# Altium PCB Bad-Fox Prototype.PcbDoc (part 1 of 6) (continued)
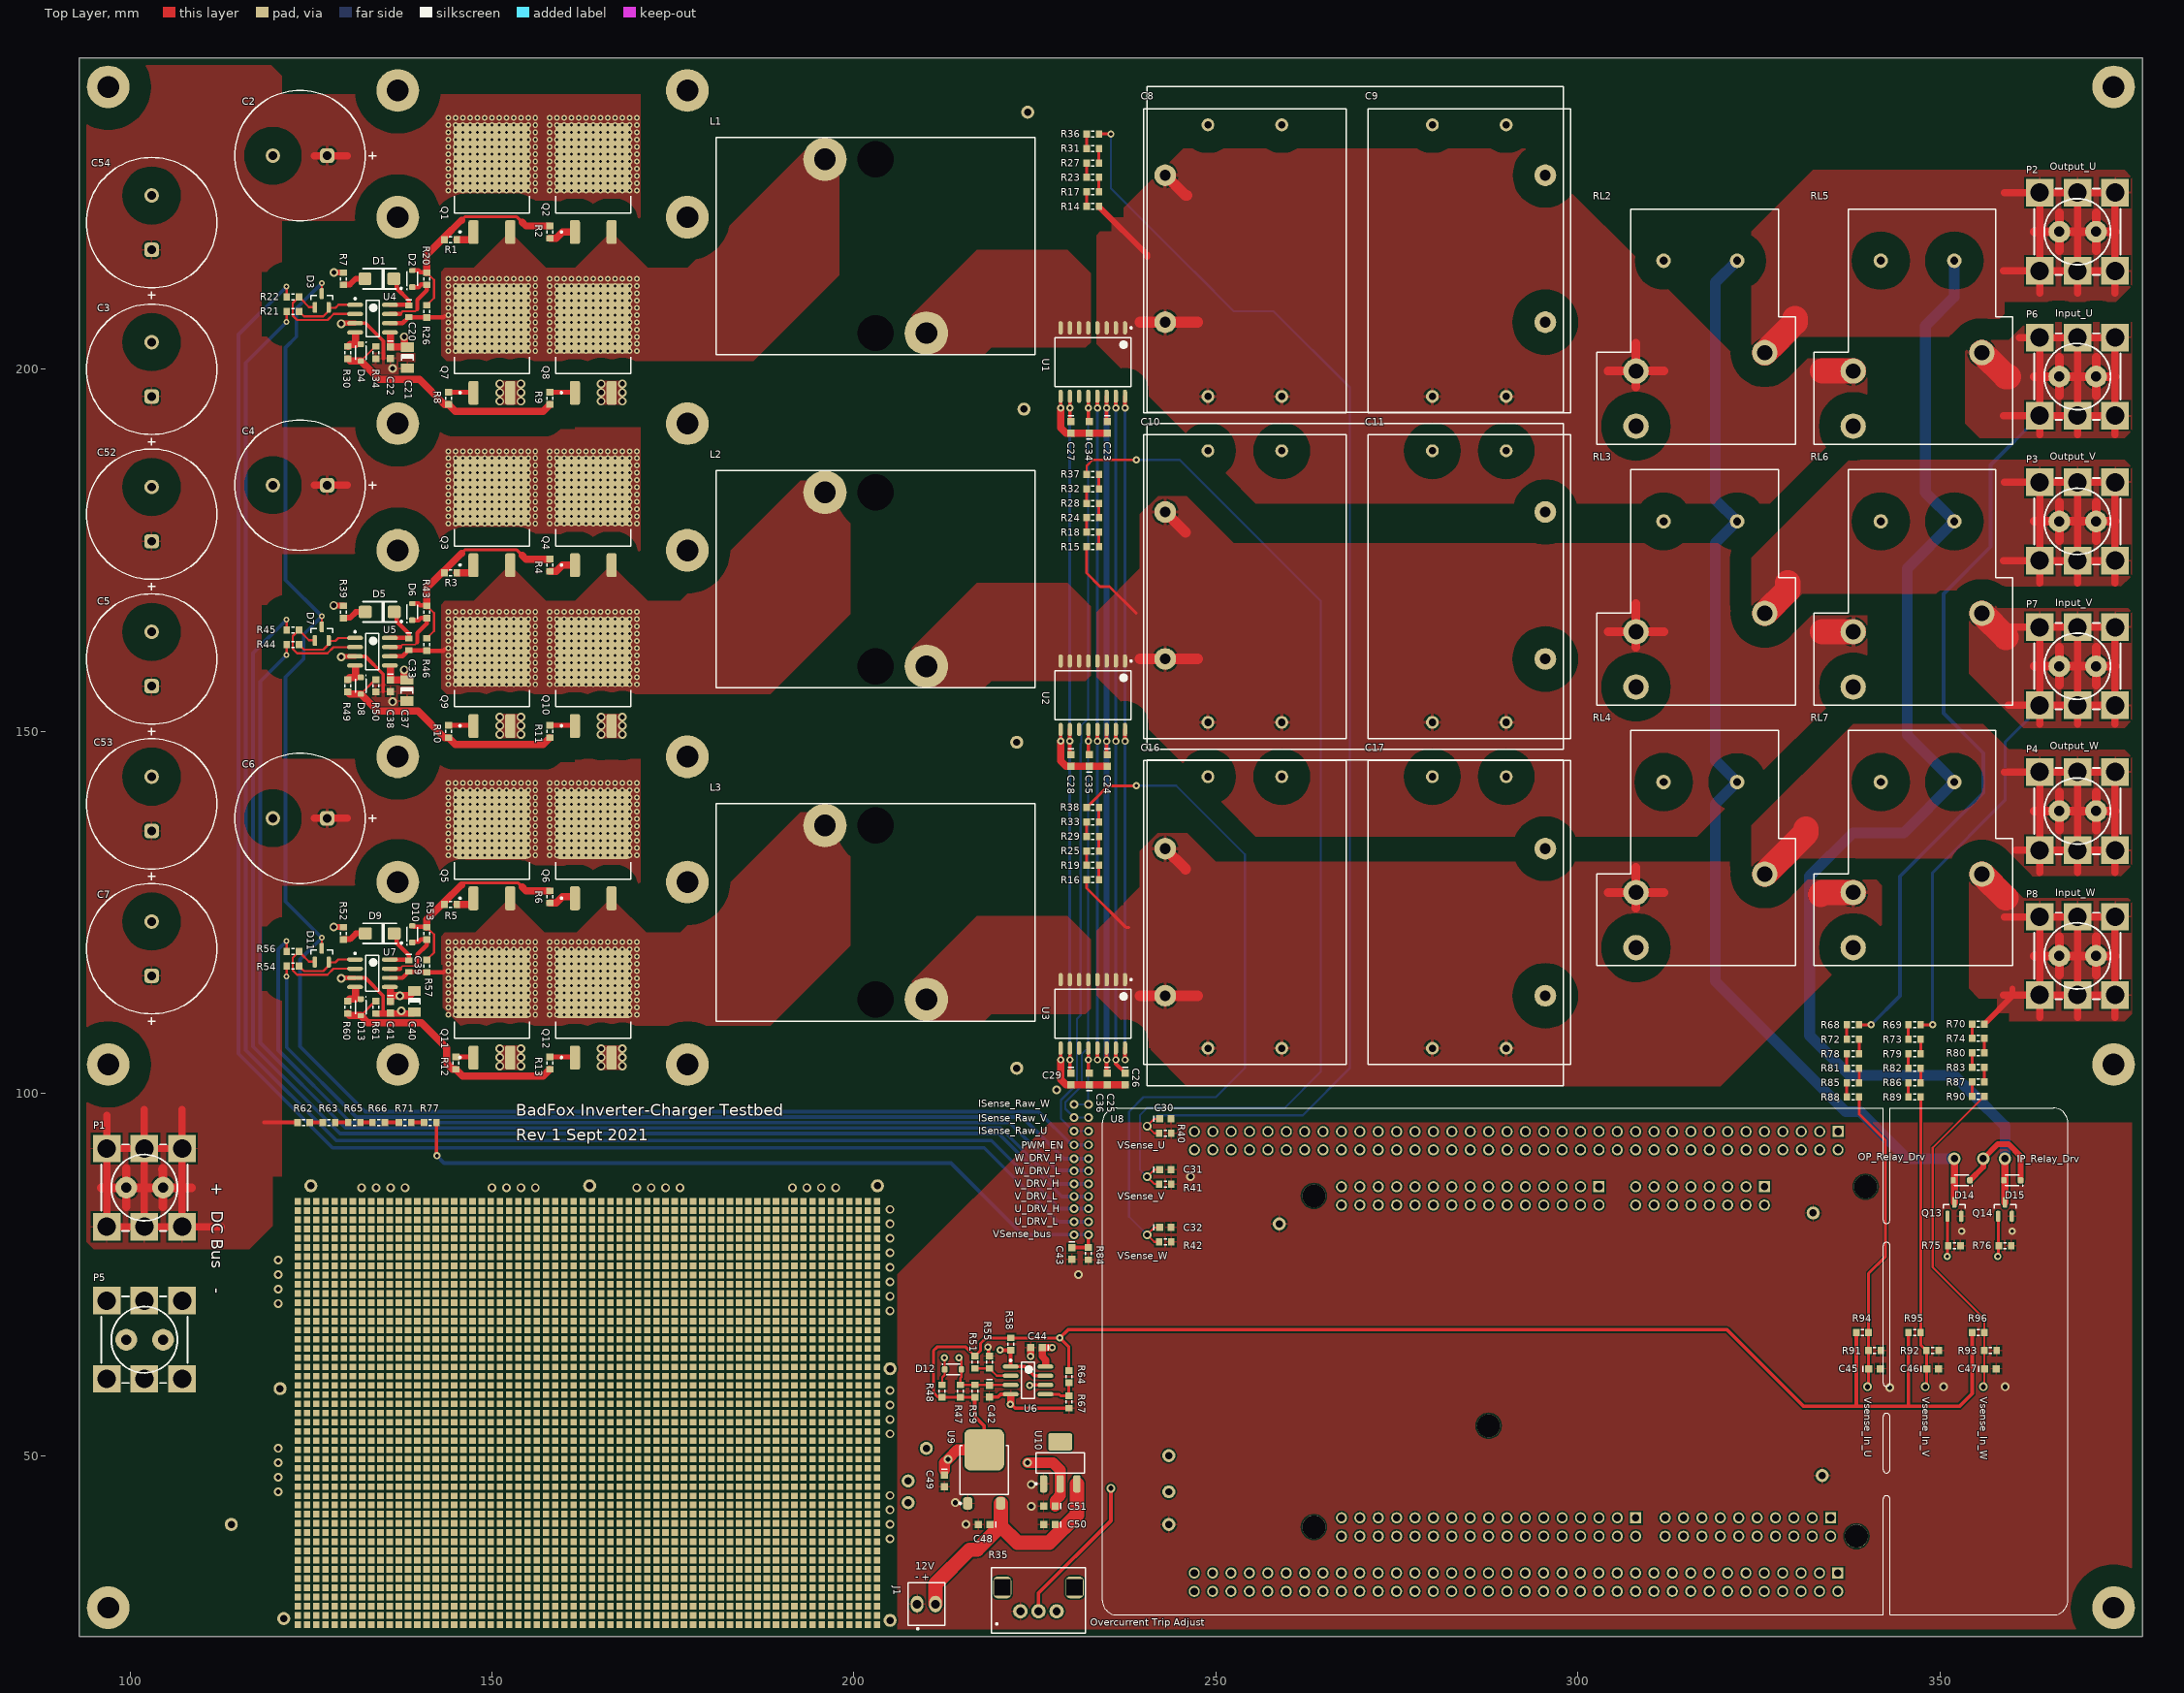
[diagram p0: Top Layer view]
## Design rules (kind name [scope] priority, off if disabled: settings)
Clearance Clearance_MountingHoleHack_Inner [PadXSize_AllLayers = 5.9 vs InPoly and OnMid] p1: gap=1.5 ignorepadtopadclearanceinfootprint=FALSE
Clearance Clearance_MountingHoleHack [PadXSize_AllLayers = 5.9 vs InPoly] p2: gap=3 ignorepadtopadclearanceinfootprint=FALSE
Clearance Clearance_HV_Inner [InNet('Vbus') vs OnMid] p3: gap=1.5 ignorepadtopadclearanceinfootprint=FALSE
Clearance Clearance_HV [InNet('Vbus') vs NOT(OnMid)] p4: gap=3 ignorepadtopadclearanceinfootprint=FALSE
Clearance Clearance_Flying_Inner [InNetClass('Flying') OR InNetClass('Clr_to_all') vs (NOT InNetClass('Flying') OR InNetClass('Clr_to_all') )  AND OnMid] p5: gap=1.5 ignorepadtopadclearanceinfootprint=FALSE
Clearance Clearance_Flying [(InNetClass('Flying') OR InNetClass('Clr_to_all')) AND NOT(OnLayer('Layer 1') OR OnLayer('Layer 2')) vs NOT InNetClass('Flying') OR InNetClass('Clr_to_all')] p6: gap=3 ignorepadtopadclearanceinfootprint=FALSE
Clearance [All] p7: gap=0.2 ignorepadtopadclearanceinfootprint=FALSE
Height [All] p1 off: minheight=0 maxheight=25.4 prefheight=12.7
HoleSize [All] p1 off: absolutevalues=TRUE maxlimit=2.54 minlimit=0.025 maxpercent=80.000 minpercent=20.000
MinimumSolderMaskSliver [All] p1 off: minsoldermaskwidth=0.15
PolygonConnect PolygonConnect_Via [IsVia] p1: connectstyle=Direct reliefconductorwidth=0.254 reliefentries=4 polygonreliefangle="90 Angle" airgapwidth=0.254
PolygonConnect PolygonConnect_NoRelief [Name = 'NoRelief'] p2: connectstyle=Direct reliefconductorwidth=0.254 reliefentries=4 polygonreliefangle="90 Angle" airgapwidth=0.254
PolygonConnect PolygonConnect_THRelief [Name = 'THRelief'] p3: thpad.connectstyle=Relief thpad.reliefconductorwidth=0.5 thpad.reliefentries=4 thpad.polygonreliefangle="90 Angle" thpad.airgapwidth=0.3 smdpad.connectstyle=Direct smdpad.reliefconductorwidth=0.254 smdpad.reliefentries=4 smdpad.polygonreliefangle="90 Angle" smdpad.airgapwidth=0.254 via.connectstyle=Direct via.reliefconductorwidth=0.254 via.reliefentries=4 via.polygonreliefangle="90 Angle" via.airgapwidth=0.254
PolygonConnect [All] p4: connectstyle=Relief reliefconductorwidth=0.254 reliefentries=4 polygonreliefangle="90 Angle" airgapwidth=0.254
RoutingVias [All] p1: holewidth=0.4 width=0.8 viastyle="Through Hole" minholewidth=0.4 minwidth=0.8 maxholewidth=100 maxwidth=100
SilkToSilkClearance [All] p1 off: silktosilkclearance=0.254
SilkToSolderMaskClearance [IsPad] p1 off: minsilkscreentomaskgap=0.254 clearancetoexposedcopper=TRUE
SolderMaskExpansion [All] p1: expansion=0.102 istentingtop=FALSE
Width [All] p1: maxlimit=20 minlimit=0.2 preferedwidth=0.2 minimp=50.000000 maximp=50.000000 favimp=50.000000
25 further rules are at their usual default settings.

## Classes and differential pairs
net class Clr_to_all: NetP2_1 NetP3_1 NetP4_1 NetP6_1 NetP7_1 NetP8_1
net class Flying: NetC8_1 NetC10_1 NetC16_1 NetC20_1 NetC20_2 NetC33_1 NetC33_2 NetC39_1 NetC39_2 NetD2_1 NetD2_2 NetD6_1 NetD6_2 NetD10_1 NetD10_2 NetL1_2 NetL2_2 NetL3_2 NetP2_1 NetP3_1 NetP4_1 NetP6_1 NetP7_1 NetP8_1 NetQ1_1 NetQ2_1 NetQ3_1 NetQ4_1 NetQ5_1 NetQ6_1

## Components (designator, comment, footprint, x,y, rotation, side; value= is the part's Value field where it differs from the comment)
C2 "82u" CAPPR7.5-18X35.5 123.5,229.5 r180 top
C3 "82u" CAPPR7.5-18X35.5 103,200 r90 top
C4 "82u" CAPPR7.5-18X35.5 123.5,184 r180 top
C5 "82u" CAPPR7.5-18X35.5 103,160 r90 top
C6 "82u" CAPPR7.5-18X35.5 123.5,138 r180 top
C7 "82u" CAPPR7.5-18X35.5 103,120 r90 top
C8 "Cap Film PP 50u 500V RADIAL" C4AQ 254,215 r90 top value="50uF 500V"
C9 "Cap Film PP 50u 500V RADIAL" C4AQ 285,215 r90 top value="50uF 500V"
C10 "Cap Film PP 50u 500V RADIAL" C4AQ 254,170 r90 top value="50uF 500V"
C11 "Cap Film PP 50u 500V RADIAL" C4AQ 285,170 r90 top value="50uF 500V"
C16 "Cap Film PP 50u 500V RADIAL" C4AQ 254,125 r90 top value="50uF 500V"
C17 "Cap Film PP 50u 500V RADIAL" C4AQ 285,125 r90 top value="50uF 500V"
C20 "1u" CAPC1608N-0603#1 138.5,208 r270 top
C21 "22u" CAPC3216N-1206 138.3,201.6 r270 top
C22 "1u" CAPC1608N-0603#2 136,202.3 r270 top
C23 "100n" CAPC1608N-0603#2 235,192 r270 top
C24 "100n" CAPC1608N-0603#2 235,146 r270 top
C25 "100n" CAPC1608N-0603#2 235,102 r270 top
C26 "100n" CAPC1608N-0603#2 237.5,102 r270 top
C27 "100n" CAPC1608N-0603#2 230,192 r270 top
C28 "100n" CAPC1608N-0603#2 230,146 r270 top
C29 "100n" CAPC1608N-0603#2 230,102 r270 top
C30 "150p" CAPC1608N-0603#2 243,96.5 r0 top
C31 "150p" CAPC1608N-0603#2 243,89.5 r0 top
C32 "150p" CAPC1608N-0603#2 243,81.5 r0 top
C33 "1u" CAPC1608N-0603#1 138.5,162 r270 top
C34 "5.6n" CAPC1608N-0603#2 232.5,192 r90 top
C35 "5.6n" CAPC1608N-0603#2 232.5,146 r90 top
C36 "5.6n" CAPC1608N-0603#2 232.5,102 r90 top
C37 "22u" CAPC3216N-1206 138.234,155.65 r270 top
C38 "1u" CAPC1608N-0603#2 135.984,156.3 r270 top
C39 "1u" CAPC1608N-0603#1 138.5,117.6 r270 top
C40 "22u" CAPC3216N-1206 139.3,112.7 r270 top
C41 "1u" CAPC1608N-0603#2 135.984,111.9 r270 top
C42 "47n" CAPC1608N-0603#2 218.7,58.9 r270 top
C43 "150p" CAPC1608N-0603#2 230.1,77.9 r270 top
C44 "100n" CAPC1608N-0603#2 225.2,64.9 r180 top
C45 "150p" CAPC1608N-0603#2 341,62 r0 top
C46 "150p" CAPC1608N-0603#2 349,62 r0 top
C47 "150p" CAPC1608N-0603#2 357,62 r0 top
C48 "1u" CAPC1608N-0603#2 218,40.5 r180 top
C49 "1u" CAPC1608N-0603#2 212.5,46.5 r270 top
C50 "1u" CAPC1608N-0603#2 227,40.5 r180 top
C51 "1u" CAPC1608N-0603#2 227,43 r180 top
C52 "82u" CAPPR7.5-18X35.5 103,180 r90 top
C53 "82u" CAPPR7.5-18X35.5 103,140 r90 top
C54 "82u" CAPPR7.5-18X35.5 103,220.25 r90 top
D1 "VSSAF510-M3/H" "DIODE SMA" 134.466,212.5 r180 top
D2 "CUS10S30,H3F" SOD-323 139,212.5 r90 top
D3 "BAT54CFILM" SOT23-3N 126.5,209.5 r90 top
D4 "CUS10S30,H3F" SOD-323 131.9,202.3 r270 top
D5 "VSSAF510-M3/H" "DIODE SMA" 134.5,166.5 r180 top
D6 "CUS10S30,H3F" SOD-323 139,166.5 r90 top
D7 "BAT54CFILM" SOT23-3N 126.5,163.5 r90 top
D8 "CUS10S30,H3F" SOD-323 131.884,156.3 r270 top
D9 "VSSAF510-M3/H" "DIODE SMA" 134.5,122.1 r180 top
D10 "CUS10S30,H3F" SOD-323 139,122 r90 top
D11 "BAT54CFILM" SOT23-3N 126.5,119.1 r90 top
D12 "CUS10S30,H3F" SOD-323 213.7,61.9 r0 top
D13 "CUS10S30,H3F" SOD-323 131.884,111.9 r270 top
D14 "CUS10S30,H3F" SOD-323 353,88 r180 top
D15 "CUS10S30,H3F" SOD-323 360,88 r180 top
J1 "22-29-2021" "CONN HEADER 2-PIN KK 6410" 210,29.5 r0 top
L1 "Inductor for inverter charger (placeholder)" BF_IND 203,217 r0 top value=150uH
L2 "Inductor for inverter charger (placeholder)" BF_IND 203,171 r0 top value=150uH
L3 "Inductor for inverter charger (placeholder)" BF_IND 203,125 r0 top value=150uH
NT1 "Net Tie" "NET TIE 50MIL" 228,102.3 r90 bottom net-tie
P1 "Conn Screw Term PCB" "CONN SCREW TERM PCB" 102,87 r0 top
P2 "Conn Screw Term PCB" "CONN SCREW TERM PCB" 369,219 r180 top
P3 "Conn Screw Term PCB" "CONN SCREW TERM PCB" 369,179 r0 top
P4 "Conn Screw Term PCB" "CONN SCREW TERM PCB" 369,139 r180 top
P5 "Conn Screw Term PCB" "CONN SCREW TERM PCB" 102,66 r0 top
P6 "Conn Screw Term PCB" "CONN SCREW TERM PCB" 369,199 r0 top
P7 "Conn Screw Term PCB" "CONN SCREW TERM PCB" 369,159 r0 top
P8 "Conn Screw Term PCB" "CONN SCREW TERM PCB" 369,119 r180 top
Q1 "Tran N-MOSFET 100V 140A 3.2mOhm D2-PAK" TO263 150,225 r90 top value=AOB290L
Q2 "Tran N-MOSFET 100V 140A 3.2mOhm D2-PAK" TO263 164,225 r90 top value=AOB290L
Q3 "Tran N-MOSFET 100V 140A 3.2mOhm D2-PAK" TO263 150,179 r90 top value=AOB290L
Q4 "Tran N-MOSFET 100V 140A 3.2mOhm D2-PAK" TO263 164,179 r90 top value=AOB290L
Q5 "Tran N-MOSFET 100V 140A 3.2mOhm D2-PAK" TO263 150,133 r90 top value=AOB290L
Q6 "Tran N-MOSFET 100V 140A 3.2mOhm D2-PAK" TO263 164,133 r90 top value=AOB290L
Q7 "Tran N-MOSFET 100V 140A 3.2mOhm D2-PAK" TO263 150,202.8 r90 top value=AOB290L
Q8 "Tran N-MOSFET 100V 140A 3.2mOhm D2-PAK" TO263 164,202.8 r90 top value=AOB290L
Q9 "Tran N-MOSFET 100V 140A 3.2mOhm D2-PAK" TO263 150,156.8 r90 top value=AOB290L
Q10 "Tran N-MOSFET 100V 140A 3.2mOhm D2-PAK" TO263 164,156.8 r90 top value=AOB290L
Q11 "Tran N-MOSFET 100V 140A 3.2mOhm D2-PAK" TO263 150,111 r90 top value=AOB290L
Q12 "Tran N-MOSFET 100V 140A 3.2mOhm D2-PAK" TO263 164,111 r90 top value=AOB290L
Q13 "Tran N-MOSFET 30V 1.4A SOT-23" SOT23-3N 352,84 r90 top value=BSS316NH6327XTSA1
Q14 "Tran N-MOSFET 30V 1.4A SOT-23" SOT23-3N 359,84 r90 top value=BSS316NH6327XTSA1
R1 "4.75" RESC1608N-0603 144.3,217.9 r180 top
R2 "4.75" RESC1608N-0603 158,218.95 r90 top
R3 "4.75" RESC1608N-0603 144.3,171.9 r180 top
R4 "4.75" RESC1608N-0603 158,172.95 r90 top
R5 "4.75" RESC1608N-0603 144.3,126.1 r180 top
R6 "4.75" RESC1608N-0603 158,127.15 r90 top
R7 "2.2" RESC1608N-0603 129.5,212.5 r270 top
R8 "4.75" RESC1608N-0603 144,196 r270 top
R9 "4.75" RESC1608N-0603 158,196 r270 top
R10 "4.75" RESC1608N-0603 144,150 r270 top
R11 "4.75" RESC1608N-0603 158,150 r270 top
R12 "4.75" RESC1608N-0603 145,104.2 r270 top
R13 "4.75" RESC1608N-0603 158,104.2 r270 top
R14 "100K" RESC1608N-0603 233,222.5 r0 top
R15 "100K" RESC1608N-0603 233,175.5 r180 top
R16 "100K" RESC1608N-0603 233,129.5 r180 top
R17 "100K" RESC1608N-0603 233,224.5 r180 top
R18 "100K" RESC1608N-0603 233,177.5 r0 top
R19 "100K" RESC1608N-0603 233,131.5 r0 top
R20 "10" RESC1608N-0603 141,212.5 r90 top
R21 "4.99K" RESC1608N-0603 122.5,208 r0 top
R22 "4.99K" RESC1608N-0603 122.5,210 r0 top
R23 "100K" RESC1608N-0603 233,226.5 r0 top
R24 "100K" RESC1608N-0603 233,179.5 r180 top
R25 "100K" RESC1608N-0603 233,133.5 r180 top
R26 "49.9K" RESC1608N-0603 141,208 r90 top
R27 "100K" RESC1608N-0603 233,228.5 r180 top
R28 "100K" RESC1608N-0603 233,181.5 r0 top
R29 "100K" RESC1608N-0603 233,135.5 r0 top
R30 "10" RESC1608N-0603 130.1,202.3 r270 top
R31 "100K" RESC1608N-0603 233,230.5 r0 top
R32 "100K" RESC1608N-0603 233,183.5 r180 top
R33 "100K" RESC1608N-0603 233,137.5 r180 top
R34 "49.9K" RESC1608N-0603 134,202.3 r90 top
R35 "100K" PTV09A-2020F-B104 223,28.5 r0 top
R36 "100K" RESC1608N-0603 233,232.5 r180 top
R37 "100K" RESC1608N-0603 233,185.5 r0 top
R38 "100K" RESC1608N-0603 233,139.5 r0 top
R39 "2.2" RESC1608N-0603 129.5,166.5 r270 top
R40 "4.3K" RESC1608N-0603 243,94.5 r180 top
R41 "4.3K" RESC1608N-0603 243,87.5 r180 top
R42 "4.3K" RESC1608N-0603 243,79.5 r180 top
R43 "10" RESC1608N-0603 141,166.5 r90 top
R44 "4.99K" RESC1608N-0603 122.5,162 r0 top
R45 "4.99K" RESC1608N-0603 122.5,164 r0 top
R46 "49.9K" RESC1608N-0603 141,162 r90 top
R47 "10K" RESC1608N-0603 214.7,58.9 r270 top
R48 "10K" RESC1608N-0603 212.2,58.9 r270 top
R49 "10" RESC1608N-0603 130.084,156.3 r270 top
R50 "49.9K" RESC1608N-0603 133.984,156.3 r90 top
R51 "1K" RESC1608N-0603 216.7,62.9 r90 top
R52 "2.2" RESC1608N-0603 129.5,122.1 r270 top
R53 "10" RESC1608N-0603 141,122.1 r90 top
R54 "4.99K" RESC1608N-0603 122.5,117.6 r0 top
R55 "1K" RESC1608N-0603 218.7,62.9 r270 top
R56 "4.99K" RESC1608N-0603 122.5,119.6 r0 top
R57 "49.9K" RESC1608N-0603 141,117.6 r90 top
R58 "10K" RESC1608N-0603 221.7,65.4 r90 top
R59 "1K" RESC1608N-0603 216.7,58.9 r270 top
R60 "10" RESC1608N-0603 130.084,111.9 r270 top
R61 "49.9K" RESC1608N-0603 133.984,111.9 r90 top
R62 "100K" RESC1608N-0603 124,96 r180 top
R63 "100K" RESC1608N-0603 127.5,96 r180 top
R64 "1K" RESC1608N-0603 229.7,60.9 r90 top
R65 "100K" RESC1608N-0603 131,96 r180 top
R66 "100K" RESC1608N-0603 134.35,96 r180 top
R67 "Res 18.2K 1/10W 1% 0603" RESC1608N-0603 229.7,57.4 r90 top value=18K2
R68 "100K" RESC1608N-0603 338,109.5 r0 top
R69 "100K" RESC1608N-0603 346.5,109.5 r0 top
R70 "100K" RESC1608N-0603 355.3,109.6 r0 top
R71 "100K" RESC1608N-0603 138,96 r180 top
R72 "100K" RESC1608N-0603 338,107.5 r180 top
R73 "100K" RESC1608N-0603 346.5,107.5 r180 top
R74 "100K" RESC1608N-0603 355.3,107.6 r180 top
R75 "10K" RESC1608N-0603 352,79 r180 top
R76 "10K" RESC1608N-0603 359,79 r180 top
R77 "100K" RESC1608N-0603 141.5,96 r180 top
R78 "100K" RESC1608N-0603 338,105.5 r0 top
R79 "100K" RESC1608N-0603 346.5,105.5 r0 top
R80 "100K" RESC1608N-0603 355.3,105.6 r0 top
R81 "100K" RESC1608N-0603 338,103.5 r180 top
R82 "100K" RESC1608N-0603 346.5,103.5 r180 top
R83 "100K" RESC1608N-0603 355.3,103.6 r180 top
R84 "4.3K" RESC1608N-0603 232.4,77.9 r90 top
R85 "100K" RESC1608N-0603 338,101.5 r0 top
R86 "100K" RESC1608N-0603 346.5,101.5 r0 top
R87 "100K" RESC1608N-0603 355.3,101.6 r0 top
R88 "100K" RESC1608N-0603 338,99.5 r180 top
R89 "100K" RESC1608N-0603 346.5,99.5 r180 top
R90 "100K" RESC1608N-0603 355.3,99.6 r180 top
R91 "4.3K" RESC1608N-0603 341,64.5 r180 top
R92 "4.3K" RESC1608N-0603 349,64.5 r180 top
R93 "4.3K" RESC1608N-0603 357,64.5 r180 top
R94 "Res 4.30K 1/10W 1% 0603" RESC1608N-0603 339.3,67 r180 top value=4.30K
R95 "Res 4.30K 1/10W 1% 0603" RESC1608N-0603 346.5,67 r180 top value=4.30K
R96 "Res 4.30K 1/10W 1% 0603" RESC1608N-0603 355.3,67 r180 top value=4.30K
RL2 "Relay SPST 277VAC 40A 12Vcoil" T9A 308.03,192.14 r180 top value=J115F11A12VDCS6.9
RL3 "Relay SPST 277VAC 40A 12Vcoil" T9A 308.03,156.14 r180 top value=J115F11A12VDCS6.9
RL4 "Relay SPST 277VAC 40A 12Vcoil" T9A 308.03,120.14 r180 top value=J115F11A12VDCS6.9
RL5 "Relay SPST 277VAC 40A 12Vcoil" T9A 338.03,192.14 r180 top value=J115F11A12VDCS6.9
RL6 "Relay SPST 277VAC 40A 12Vcoil" T9A 338.03,156.14 r180 top value=J115F11A12VDCS6.9
RL7 "Relay SPST 277VAC 40A 12Vcoil" T9A 338.03,120.14 r180 top value=J115F11A12VDCS6.9
U1 "IC Sensor Current Isolated 75A" SOIC127P1030X264-16N 233,201 r270 top
U2 "IC Sensor Current Isolated 75A" SOIC127P1030X264-16N 233,155 r270 top
U3 "IC Sensor Current Isolated 75A" SOIC127P1030X264-16N 233,111 r270 top
U4 "IC Fet Driver 4.5A Half Bridge" SOIC127P600-8N 133.516,207 r0 top value=FAN7390MX
U5 "IC Fet Driver 4.5A Half Bridge" SOIC127P600-8N 133.5,161 r0 top value=FAN7390MX
U6 "IC Comparator Open Drain Dual 8-SOIC" SOIC127P600-8N 224.056,60.387 r0 top
U7 "IC Fet Driver 4.5A Half Bridge" SOIC127P600-8N 133.5,116.6 r0 top value=FAN7390MX
U8 "NUCLEO-F429ZI" MODULE_NUCLEO-F429ZI 301,63 r270 top locked
U9 "ZLDO1117K33TC" TO252-229P970-3N 218,48 r90 top
U10 "ZLDO1117G50TA" SOT223-4N 228.5,49 r90 top

## Footprints (in the part's own frame and the unit in brackets; to place one, negate y for a bottom-side part, rotate by r counter-clockwise, add the part's x,y. Pads: shape width x height; smd on the part's side, far side on the other; paste and mask are expansions set on the pad)
BF_IND [mm]
  round 6 hole 3: 1(-7,12) 2(7,-12)
  round 0 hole 5 unplated: ""(0,-12) ""(0,12)
  silkscreen extent -22,-15 22,15, body extent -22,-10 21.99,15, height 44
C4AQ [mil] "Kemet C4AQ Series film capacitor"
  round 70 hole 40: 1(-738.19,-200.79) 1(-738.19,200.79) 2(738.19,-200.79) 2(738.19,200.79)
  silkscreen extent -827,-551 827,551, body extent -827,-551 827,551, height 1457
CAPC1608N-0603#1 [mm] "Chip Capacitor, Body 1.6x0.8mm, IPC Medium Density"
  rect 0.8x1 smd: 1(-0.8,0) 2(0.8,0)
  silkscreen extent -1.6,-0.4 -1.6,0.4, body extent -0.87,-0.48 0.87,0.48, height 0.85
CAPC1608N-0603#2 [mm] "Chip Capacitor, Body 1.6x0.8mm, IPC Medium Density"
  rect 1x1 smd: 1(-0.8,0) 2(0.8,0)
  silkscreen extent -1.6,-0.4 -1.6,0.4, body extent -0.87,-0.48 0.87,0.48, height 0.85
CAPC3216N-1206 [mm] "Chip Capacitor, Body 3.2x1.6mm, IPC Medium Density"
  rect 1.3x1.8 smd: 1(-1.45,0) 2(1.45,0)
  silkscreen extent -0.4,-0.8 0.4,0.8, body extent -1.7,-0.9 1.7,0.9, height 1.35
CAPPR7.5-18X35.5 [mm] "Capacitor, Electrolytic, Radial; Body 18 x 35.5mm (D x H typ); Pin Spacing 7.5mm (typ)"
  rrect50% 2x2 hole 1.2: 1(-3.75,0)
  round 2 hole 1.2: 2(3.75,0)
  silkscreen extent -10.52,-9 9,9, body extent -8.93,-8.98 9,8.98, height 35.5
"CONN HEADER 2-PIN KK 6410" [mil] "2-Pin Molex KK 6410 series male PCB header"
  oval 68x90 hole 47.24: 1(-50,0) 2(50,0)
  silkscreen extent -100,-139 100,115, body extent -100,-115 100,113, height 463
"CONN SCREW TERM PCB" [mil] "Keyelco 7787 or 8196"
  rect 150x150 hole 100: 1(-205,-212.5) 2(0,-212.5) 3(205,-212.5) 4(205,212.5) 5(0,212.5) 6(-205,212.5)
  silkscreen extent -235,-235 235,235
"DIODE SMA" [mm]
  rrect25% 1.8x1.7 smd: 1(-1.994,0) 2(1.994,0)
  silkscreen extent -3.13,-1.4 2.3,1.45, body extent -2.3,-1.45 2.3,1.45, height 2.45
MODULE_NUCLEO-F429ZI [mm]
  rect 1.53x1.53 hole 1.02: CN7_1(21.59,33.914) CN8_1(-24.13,24.77) CN9_1(-24.13,1.91) CN10_1(21.59,6.99) CN11_1(-31.75,34.93) CN12_1(29.21,34.91)
  round 1.53 hole 1.02: CN7_2(24.13,33.914) CN7_3(21.59,31.374) CN7_4(24.13,31.374) CN7_5(21.59,28.834) CN7_6(24.13,28.834) CN7_7(21.59,26.294) CN7_8(24.13,26.294) CN7_9(21.59,23.754) CN7_10(24.13,23.754) CN7_11(21.59,21.214) CN7_12(24.13,21.214) CN7_13(21.59,18.674) CN7_14(24.13,18.674) CN7_15(21.59,16.134) CN7_16(24.13,16.134) CN7_17(21.59,13.594) CN7_18(24.13,13.594) CN7_19(21.59,11.054) CN7_20(24.13,11.054) CN8_2(-21.59,24.77) CN8_3(-24.13,22.23) CN8_4(-21.59,22.23) CN8_5(-24.13,19.69) CN8_6(-21.59,19.69) CN8_7(-24.13,17.15) CN8_8(-21.59,17.15) CN8_9(-24.13,14.61) CN8_10(-21.59,14.61) CN8_11(-24.13,12.07) CN8_12(-21.59,12.07) CN8_13(-24.13,9.53) CN8_14(-21.59,9.53) CN8_15(-24.13,6.99) CN8_16(-21.59,6.99) CN9_2(-21.59,1.91) CN9_3(-24.13,-0.63) CN9_4(-21.59,-0.63) CN9_5(-24.13,-3.17) CN9_6(-21.59,-3.17) CN9_7(-24.13,-5.71) CN9_8(-21.59,-5.71) CN9_9(-24.13,-8.25) CN9_10(-21.59,-8.25) CN9_11(-24.13,-10.79) CN9_12(-21.59,-10.79) CN9_13(-24.13,-13.33) CN9_14(-21.59,-13.33) CN9_15(-24.13,-15.87) CN9_16(-21.59,-15.87) CN9_17(-24.13,-18.41) CN9_18(-21.59,-18.41) CN9_19(-24.13,-20.95) CN9_20(-21.59,-20.95) CN9_21(-24.13,-23.49) CN9_22(-21.59,-23.49) CN9_23(-24.13,-26.03) CN9_24(-21.59,-26.03) CN9_25(-24.13,-28.57) CN9_26(-21.59,-28.57) CN9_27(-24.13,-31.11) CN9_28(-21.59,-31.11) CN9_29(-24.13,-33.65) CN9_30(-21.59,-33.65) CN10_2(24.13,6.99) CN10_3(21.59,4.45) CN10_4(24.13,4.45) CN10_5(21.59,1.91) CN10_6(24.13,1.91) CN10_7(21.59,-0.63) CN10_8(24.13,-0.63) CN10_9(21.59,-3.17) CN10_10(24.13,-3.17) CN10_11(21.59,-5.71) CN10_12(24.13,-5.71) CN10_13(21.59,-8.25) CN10_14(24.13,-8.25) CN10_15(21.59,-10.79) CN10_16(24.13,-10.79) CN10_17(21.59,-13.33) CN10_18(24.13,-13.33) CN10_19(21.59,-15.87) CN10_20(24.13,-15.87) CN10_21(21.59,-18.41) CN10_22(24.13,-18.41) CN10_23(21.59,-20.95) CN10_24(24.13,-20.95) CN10_25(21.59,-23.49) CN10_26(24.13,-23.49) CN10_27(21.59,-26.03) CN10_28(24.13,-26.03) CN10_29(21.59,-28.57) CN10_30(24.13,-28.57) CN10_31(21.59,-31.11) CN10_32(24.13,-31.11) CN10_33(21.59,-33.65) CN10_34(24.13,-33.65) CN11_2(-29.21,34.93) CN11_3(-31.75,32.39) CN11_4(-29.21,32.39) CN11_5(-31.75,29.85) CN11_6(-29.21,29.85) CN11_7(-31.75,27.31) CN11_8(-29.21,27.31) CN11_9(-31.75,24.77) CN11_10(-29.21,24.77) CN11_11(-31.75,22.23) CN11_12(-29.21,22.23) CN11_13(-31.75,19.69) CN11_14(-29.21,19.69) CN11_15(-31.75,17.15) CN11_16(-29.21,17.15) CN11_17(-31.75,14.61) CN11_18(-29.21,14.61) CN11_19(-31.75,12.07) CN11_20(-29.21,12.07) CN11_21(-31.75,9.53) CN11_22(-29.21,9.53) CN11_23(-31.75,6.99) CN11_24(-29.21,6.99) CN11_25(-31.75,4.45) CN11_26(-29.21,4.45) CN11_27(-31.75,1.91) CN11_28(-29.21,1.91) CN11_29(-31.75,-0.63) CN11_30(-29.21,-0.63) CN11_31(-31.75,-3.17) CN11_32(-29.21,-3.17) CN11_33(-31.75,-5.71) CN11_34(-29.21,-5.71) CN11_35(-31.75,-8.25) CN11_36(-29.21,-8.25) CN11_37(-31.75,-10.79) CN11_38(-29.21,-10.79) CN11_39(-31.75,-13.33) CN11_40(-29.21,-13.33) CN11_41(-31.75,-15.87) CN11_42(-29.21,-15.87) CN11_43(-31.75,-18.41) CN11_44(-29.21,-18.41) CN11_45(-31.75,-20.95) CN11_46(-29.21,-20.95) CN11_47(-31.75,-23.49) CN11_48(-29.21,-23.49) CN11_49(-31.75,-26.03) CN11_50(-29.21,-26.03) CN11_51(-31.75,-28.57) CN11_52(-29.21,-28.57) CN11_53(-31.75,-31.11) CN11_54(-29.21,-31.11) CN11_55(-31.75,-33.65) CN11_56(-29.21,-33.65) CN11_57(-31.75,-36.19) CN11_58(-29.21,-36.19) CN11_59(-31.75,-38.73) CN11_60(-29.21,-38.73) CN11_61(-31.75,-41.27) CN11_62(-29.21,-41.27) CN11_63(-31.75,-43.81) CN11_64(-29.21,-43.81) CN11_65(-31.75,-46.35) CN11_66(-29.21,-46.35) CN11_67(-31.75,-48.89) CN11_68(-29.21,-48.89) CN11_69(-31.75,-51.43) CN11_70(-29.21,-51.43) CN11_71(-31.75,-53.97) CN11_72(-29.21,-53.97) CN12_2(31.75,34.91) CN12_3(29.21,32.37) CN12_4(31.75,32.37) CN12_5(29.21,29.83) CN12_6(31.75,29.83) CN12_7(29.21,27.29) CN12_8(31.75,27.29) CN12_9(29.21,24.75) CN12_10(31.75,24.75) CN12_11(29.21,22.21) CN12_12(31.75,22.21) CN12_13(29.21,19.67) CN12_14(31.75,19.67) CN12_15(29.21,17.13) CN12_16(31.75,17.13) CN12_17(29.21,14.59) CN12_18(31.75,14.59) CN12_19(29.21,12.05) CN12_20(31.75,12.05) CN12_21(29.21,9.51) CN12_22(31.75,9.51) CN12_23(29.21,6.97) CN12_24(31.75,6.97) CN12_25(29.21,4.43) CN12_26(31.75,4.43) CN12_27(29.21,1.89) CN12_28(31.75,1.89) CN12_29(29.21,-0.65) CN12_30(31.75,-0.65) CN12_31(29.21,-3.19) CN12_32(31.75,-3.19) CN12_33(29.21,-5.73) CN12_34(31.75,-5.73) CN12_35(29.21,-8.27) CN12_36(31.75,-8.27) CN12_37(29.21,-10.81) CN12_38(31.75,-10.81) CN12_39(29.21,-13.35) CN12_40(31.75,-13.35) CN12_41(29.21,-15.89) CN12_42(31.75,-15.89) CN12_43(29.21,-18.43) CN12_44(31.75,-18.43) CN12_45(29.21,-20.97) CN12_46(31.75,-20.97) CN12_47(29.21,-23.51) CN12_48(31.75,-23.51) CN12_49(29.21,-26.05) CN12_50(31.75,-26.05) CN12_51(29.21,-28.59) CN12_52(31.75,-28.59) CN12_53(29.21,-31.13) CN12_54(31.75,-31.13) CN12_55(29.21,-33.67) CN12_56(31.75,-33.67) CN12_57(29.21,-36.21) CN12_58(31.75,-36.21) CN12_59(29.21,-38.75) CN12_60(31.75,-38.75) CN12_61(29.21,-41.29) CN12_62(31.75,-41.29) CN12_63(29.21,-43.83) CN12_64(31.75,-43.83) CN12_65(29.21,-46.37) CN12_66(31.75,-46.37) CN12_67(29.21,-48.91) CN12_68(31.75,-48.91) CN12_69(29.21,-51.45) CN12_70(31.75,-51.45) CN12_71(29.21,-53.99) CN12_72(31.75,-53.99)
  round 3.2 hole 3.2 unplated: ""(-24.13,38.74) ""(-22.86,-37.46) ""(8.89,-13.33) ""(22.86,-37.46) ""(24.13,37.47)
  silkscreen extent -36.14,-66.67 35,66.67, body extent -35,-69.27 35,67.72, height 12.28
"NET TIE 50MIL" [mm] "50mil wide net tie"
  rect 0.635x1.27 smd paste-2 mask+0.102: 1(-0.3,0) 2(0.3,0)
PTV09A-2020F-B104 [mm] "POT 100K OHM 1/20W CARBON LINEAR THT"
  round 2 hole 1.1: 1(0,0) 2(2.5,0) 3(5,0)
  rrect50% 2.5x3 hole 2.2 square: ""(-2.5,3.3) ""(7.5,3.3)
  silkscreen extent -4,-3 9,6, body extent -2.73,-16.7 7.73,5.9, height 15.55
RESC1608N-0603 [mm] "Chip Resistor, Body 1.6x0.8mm, IPC Medium Density"
  rect 0.9x1 smd: 1(-0.85,0) 2(0.85,0)
  silkscreen extent -0.2,-0.4 0.2,0.4, body extent -0.85,-0.48 0.85,0.48, height 0.6
SOD-323 [mm]
  rrect50% 0.8x0.9 smd: 1(-1.15,0)
  rrect50% 0.7x0.9 smd: 2(1.15,0)
  silkscreen extent -1.5,-0.75 0.95,0.77, body extent -1.25,-0.72 1.25,0.72, height 1.1
SOIC127P600-8N [mm] "SOIC, 8-Leads, Body 4.9x3.9mm, Pitch 1.27mm, IPC Medium Density"
  oval 2.2x0.6 smd: 1(-2.4,1.905) 2(-2.4,0.635) 3(-2.4,-0.635) 4(-2.4,-1.905) 5(2.4,-1.905) 6(2.4,-0.635) 7(2.4,0.635) 8(2.4,1.905)
  silkscreen extent -2.52,-2.5 0.9,2.88, body extent -2,-2.5 2,2.5, height 1.75
SOIC127P1030X264-16N [mm] "SOIC, 16-Leads, Body 10.29x7.50mm, Pitch 1.27mm, IPC Medium Density"
  oval 1.85x0.6 smd: 1(-4.725,4.445) 2(-4.725,3.175) 3(-4.725,1.905) 4(-4.725,0.635) 5(-4.725,-0.635) 6(-4.725,-1.905) 7(-4.725,-3.175) 8(-4.725,-4.445) 9(4.725,-4.445) 10(4.725,-3.175) 11(4.725,-1.905) 12(4.725,-0.635) 13(4.725,0.635) 14(4.725,1.905) 15(4.725,3.175) 16(4.725,4.445)
  silkscreen extent -4.85,-5.25 3.4,5.42, body extent -3.8,-5.25 3.8,5.25, height 2.64
SOT23-3N [mm] "SOT23, 3-Leads, Body 2.9x1.3mm, Pitch 0.95mm, Lead Span 2.5mm, IPC Medium Density"
  rrect50% 1.5x0.6 smd: 1(-0.95,0.95) 2(-0.95,-0.95) 3(0.95,0)
  silkscreen extent 0.1,-1.5 0.7,1.5, body extent -0.7,-1.5 0.7,1.5, height 1.1
SOT223-4N [mm] "SOT223/SC73, 4-Leads, Body 6.5x3.5mm, Pitch 2.3mm, Lead Span 7mm, IPC Medium Density"
  rrect50% 2.4x1 smd: 1(-2.9,2.3) 2(-2.9,0) 3(-2.9,-2.3)
  rrect25% 2.4x3.3 smd: 4(2.9,0)
  silkscreen extent -3.02,-3.35 1.4,3.47, body extent -1.85,-3.35 1.85,3.35, height 1.8
T9A [mm] "T9A Relay"
  round 3.5 hole 2.1: 1(-17.78,-10.16) 2(0,-7.62) 3(0,0)
  round 2 hole 1.1: 4(-13.97,-22.86) 5(-3.81,-22.86)
  silkscreen extent -22,-30 5.4,2.5, body extent -22.02,-30.02 5.42,2.5, height 20.45
TO252-229P970-3N [mm] "SOT252,3-Leads, Body 6.7x9.9mm (max), Pitch 2.29mm, IPC Medium Density"
  rrect50% 1.7x1.3 smd: 1(-4.6,2.285) 3(-4.6,-2.285)
  rrect30% 5.7x5.5 smd: 4(2.8,0)
  silkscreen extent -4.72,-3.36 3.4,3.43, body extent -3.1,-3.36 3.1,3.36, height 3.1
TO263 [mm] "2-lead D2PAK"
  rrect35% 3.3x1.4 smd: 1(-6.05,2.54) 3(-6.05,-2.54)
  rrect10% 9.6x10.5 smd: 4(4.2,0)
  silkscreen extent -6.15,-5.2 -1.1,5.2, body extent -3.4,-5.2 6,5.2, height 4.65

## Part data
C2 C3 C4 C5 C6 C7 C52 C53 C54: library part EKXG451ELL820MMP1S, "CAP, 82u, 450V, ±20%, Alu, Pol, RADIAL, THT", Manufacturer="United Chemi-Con", Operating Temperature="-25°C ~ 105°C", Supplier Part Number 1=565-1480-ND, Temperature Coefficient="Alu, Pol", Tolerance=±20%, Voltage Rating=450V, HelpURL=http://www.chemi-con.co.jp/cgi-bin/CAT_DB/SEARCH/cat_db_al.cgi?e=e&j=p&pdfname=kxg, Manufacturer Part Number=EKXG451ELL820MMP1S, Price=2.9, Supplier 1=Digikey
C8 C9 C10 C11 C16 C17: library part C4AQLBW5500A3JK, Dist=Digi-Key, Dist P/N=399-17001-ND, HelpURL=https://katalog.we-online.de/pbs/datasheet/885012206089.pdf, Mfg=Kemet, Mfgr P/N=C4AQLBW5500A3JK, Price=10.35
C20 C22 C33 C38 C39 C41 C48 C49 C50 C51: library part C1608X5R1E105K, "CAP, 1u, 25V, ±10%, X5R, 0603", Manufacturer=TDK, Operating Temperature="-55°C ~ 85°C", Supplier Part Number 1=445-5146-1-ND, Temperature Coefficient=X5R, Tolerance=±10%, Voltage Rating=25V, HelpURL=https://product.tdk.com/info/en/catalog/datasheets/mlcc_commercial_general_en.pdf?ref_disty=digikey, Manufacturer Part Number=C1608X5R1E105K, Price=0.07, Supplier 1=Digikey
C21 C37 C40: library part CL31A226KAHNNNE, "CAP, 22u, 25V, ±10%, X5R, 1206", Manufacturer=Samsung, Operating Temperature="-55°C ~ 85°C", Supplier Part Number 1=1276-3047-1-ND, Temperature Coefficient=X5R, Tolerance=±10%, Voltage Rating=25V, HelpURL=https://media.digikey.com/pdf/Data%20Sheets/Samsung%20PDFs/CL31A226KAHNNNE_Spec.pdf, Manufacturer Part Number=CL31A226KAHNNNE, Price=0.27, Supplier 1=Digikey
C23 C24 C25 C26 C27 C28 C29 C44: library part C0603C104K3RACTU, "CAP, 100n, 25V, ±10%, X7R, 0603", Manufacturer=Kemet, Operating Temperature="-55°C ~ 125°C", Supplier Part Number 1=399-1281-1-ND, Temperature Coefficient=X7R, Tolerance=±10%, Voltage Rating=25V, HelpURL=https://api.kemet.com/component-edge/download/datasheet/C0603C104K3RACTU.pdf, Manufacturer Part Number=C0603C104K3RACTU, Price=0.06, Supplier 1=Digikey
C30 C31 C32 C43 C45 C46 C47: library part C1608C0G1H151J, "CAP, 150p, 50V, ±5%, C0G, NP0, 0603, (EOL)", Manufacturer=TDK, Operating Temperature="-55°C ~ 125°C", Supplier Part Number 1=445-1283-1-ND, Temperature Coefficient="C0G, NP0", Tolerance=±5%, Voltage Rating=50V, HelpURL=https://product.tdk.com/info/en/catalog/datasheets/mlcc_commercial_general_en.pdf?ref_disty=digikey, Manufacturer Part Number=C1608C0G1H151J, Supplier 1=Digikey
C34 C35 C36: library part 06035C562KAT2A, "CAP, 5.6n, 50V, ±10%, X7R, 0603", Manufacturer=AVX, Operating Temperature="-55°C ~ 125°C", Supplier Part Number 1=478-1224-1-ND, Temperature Coefficient=X7R, Tolerance=±10%, Voltage Rating=50V, HelpURL=http://datasheets.avx.com/X7RDielectric.pdf, Manufacturer Part Number=06035C562KAT2A, Price=0.05, Supplier 1=Digikey
C42: library part CC0603KRX7R8BB473, "CAP, 47n, 25V, ±10%, X7R, 0603", Manufacturer=Yageo, Operating Temperature="-55°C ~ 125°C", Supplier Part Number 1=311-1373-1-ND, Temperature Coefficient=X7R, Tolerance=±10%, Voltage Rating=25V, HelpURL=https://www.yageo.com/upload/media/product/productsearch/datasheet/mlcc/UPY-GPHC_X7R_6.3V-to-50V_18.pdf, Manufacturer Part Number=CC0603KRX7R8BB473, Price=0.03, Supplier 1=Digikey
D1 D5 D9: "DIO, SCHOTTKY, 600V, 1A, SMA", Current=5A, Manufacturer=Vishay, Operating Temperature="-40°C ~ 150°C", Supplier Part Number 1=VSSAF510-M3/HGITR-ND, Voltage - DC Reverse (Max)=100V, HelpURL=https://www.vishay.com/docs/87610/vssaf510.pdf, Manufacturer Part Number=VSSAF510-M3/H, Price=0.28, Supplier 1=Digikey
D2 D4 D6 D8 D10 D12 D13 D14 D15: "DIO, SCHOTTKY, 30V, 1A, SOD-323", Current=1A, Manufacturer="Toshiba Semiconductor and Storage", Operating Temperature=125°C, Supplier Part Number 1=CUS10S30H3FTR-ND, Voltage - DC Reverse (Max)=30V, HelpURL=https://toshiba.semicon-storage.com/info/docget.jsp?did=14077&prodName=CUS10S30, Manufacturer Part Number=CUS10S30,H3F, Price=0.18, Supplier 1=Digikey
D3 D7 D11: "DIO, SCHOTTKY, CC, 40V, 300mA, SOT-23-3", Current=300mA, Manufacturer=ST, Operating Temperature="-40°C ~ 150°C", Supplier Part Number 1=497-3786-2-ND, Voltage - DC Reverse (Max)=40V, HelpURL=https://www.st.com/content/ccc/resource/technical/document/datasheet/07/50/54/f2/0d/ba/4a/79/CD00001322.pdf/files/CD00001322.pdf/jcr:content/translations/en.CD00001322.pdf, Manufacturer Part Number=BAT54CFILM, Price=0.19, Reverse Recovery Time (trr)=5ns, Supplier 1=Digikey
J1: "CONN, HEADER, 2-POS, 2.54mm, TH", Current Rating=4A, Manufacturer=Molex, Supplier Part Number 1=WM2744-ND, Voltage - Rated=500V, HelpURL=https://www.molex.com/pdm_docs/sd/022292021_sd.pdf, Manufacturer Part Number=22-29-2021, Number of Positions=2, Number of Rows=1, Pitch=2.54mm, Price=0.45, Supplier 1=Digikey
L1 L2 L3: library part BF-IND, Dist=-, Dist P/N=-, HelpURL=-, Mfg=-, Mfgr P/N=-, Price=-
P1 P2 P3 P4 P5 P6 P7 P8: Mfg Part Number=8196
Q1 Q2 Q3 Q4 Q5 Q6 Q7 Q8 Q9 Q10 Q11 Q12: library part AOB290L, "Tran N-MOSFET 600V 29A 105mOhm D2-PAK", Datasheet=http://www.aosmd.com/res/data_sheets/AOB290L.pdf, Dist=Digi-Key, Dist P/N=785-1329-1-ND, Mfg="Alpha & Omega Semiconductor", Mfgr P/N=AOB290L, Price=3.68
Q13 Q14: library part BSS316NH6327XTSA1, Dist=Digi-Key, Dist P/N=BSS316NH6327XTSA1CT-ND, HelpURL=https://www.infineon.com/dgdl/BSS316N_Rev2.3.pdf?folderId=db3a3043156fd573011622e10b5c1f67&fileId=db3a304330f686060130ff7ee4b07f16, Mfg="Infineon Technologies", Mfgr P/N=BSS316NH6327XTSA1, Price=0.62
R1 R2 R3 R4 R5 R6 R8 R9 R10 R11 R12 R13: library part RC0603FR-074R75L, "RES, 4.75R, 0.1W, 1%, 0603", Manufacturer=Yageo, Operating Temperature="-55°C ~ 155°C", Power=0.1W, Supplier Part Number 1=311-4.75HRTR-ND, Temperature Coefficient=±200ppm/°C, Tolerance=1.00%, HelpURL=https://www.yageo.com/upload/media/product/productsearch/datasheet/rchip/PYu-RC_Group_51_RoHS_L_10.pdf, Manufacturer Part Number=RC0603FR-074R75L, Price=0.03, Supplier 1=Digikey
R7 R39 R52: library part ERJ-3RQF2R2V, "RES, 2.2R, 0.1W, 1%, 0603", Manufacturer=Panasonic, Operating Temperature="-55°C ~ 155°C", Power=0.1W, Supplier Part Number 1=P2.2AJTR-ND, Temperature Coefficient=±200ppm/°C, Tolerance=1.00%, HelpURL=https://industrial.panasonic.com/cdbs/www-data/pdf/RDN0000/AOA0000C313.pdf, Manufacturer Part Number=ERJ-3RQF2R2V, Price=0.09, Supplier 1=Digikey
R14 R15 R16 R17 R18 R19 R23 R24 R25 R27 R28 R29 R31 R32 R33 R36 R37 R38 R62 R63 R65 R66 R68 R69 R70 R71 R72 R73 R74 R77 R78 R79 R80 R81 R82 R83 R85 R86 R87 R88 R89 R90: library part ERJ-3EKF1003V, "RES, 100K, 0.1W, 1%, 0603", Manufacturer=Panasonic, Operating Temperature="-55°C ~ 155°C", Power=0.1W, Supplier Part Number 1=P100KHTR-ND, Temperature Coefficient=±100ppm/°C, Tolerance=1.00%, HelpURL=https://industrial.panasonic.com/cdbs/www-data/pdf/RDA0000/AOA0000C304.pdf, Manufacturer Part Number=ERJ-3EKF1003V, Price=0.02, Supplier 1=Digikey
R20 R30 R43 R49 R53 R60: library part ERJ-3EKF10R0V, "RES, 10R, 0.1W, 1%, 0603", Manufacturer=Panasonic, Operating Temperature="-55°C ~ 155°C", Power=0.1W, Supplier Part Number 1=P10.0HTR-ND, Temperature Coefficient=±100ppm/°C, Tolerance=1.00%, HelpURL=https://industrial.panasonic.com/cdbs/www-data/pdf/RDA0000/AOA0000C304.pdf, Manufacturer Part Number=ERJ-3EKF10R0V, Price=0.02, Supplier 1=Digikey
R21 R22 R44 R45 R54 R56: library part ERJ-3EKF4991V, "RES, 4.99K, 0.1W, 1%, 0603", Manufacturer=Panasonic, Operating Temperature="-55°C ~ 155°C", Power=0.1W, Supplier Part Number 1=P4.99KHTR-ND, Temperature Coefficient=±100ppm/°C, Tolerance=1.00%, HelpURL=https://industrial.panasonic.com/cdbs/www-data/pdf/RDA0000/AOA0000C304.pdf, Manufacturer Part Number=ERJ-3EKF4991V, Price=0.02, Supplier 1=Digikey
R26 R34 R46 R50 R57 R61: library part ERJ-3EKF4992V, "RES, 49.9K, 0.1W, 1%, 0603", Manufacturer=Panasonic, Operating Temperature="-55°C ~ 155°C", Power=0.1W, Supplier Part Number 1=P49.9KHTR-ND, Temperature Coefficient=±100ppm/°C, Tolerance=1.00%, HelpURL=https://industrial.panasonic.com/cdbs/www-data/pdf/RDA0000/AOA0000C304.pdf, Manufacturer Part Number=ERJ-3EKF4992V, Price=0.02, Supplier 1=Digikey
R35: library part PTV09A-2020F-B104, "RES, POT, 100K, 50mW, Linear, THT", Manufacturer="Bourns Inc.", Power=50mW, Supplier Part Number 1=PTV09A-2020F-B104-ND, Tolerance=20.00%, HelpURL=https://www.bourns.com/docs/Product-Datasheets/PTV09.pdf, Manufacturer Part Number=PTV09A-2020F-B104, Price=0.87, Supplier 1=Digikey
R40 R41 R42 R84 R91 R92 R93: library part ERJ-3EKF4301V, "RES, 4.3K, 0.1W, 1%, 0603", Manufacturer=Panasonic, Operating Temperature="-55°C ~ 155°C", Power=0.1W, Supplier Part Number 1=P4.30KHTR-ND, Temperature Coefficient=±100ppm/°C, Tolerance=1.00%, HelpURL=https://industrial.panasonic.com/cdbs/www-data/pdf/RDA0000/AOA0000C304.pdf, Manufacturer Part Number=ERJ-3EKF4301V, Price=0.02, Supplier 1=Digikey
R47 R48 R58 R75 R76: library part ERJ-3EKF1002V, "RES, 10K, 0.1W, 1%, 0603", Manufacturer=Panasonic, Operating Temperature="-55°C ~ 155°C", Power=0.1W, Supplier Part Number 1=P10.0KHTR-ND, Temperature Coefficient=±100ppm/°C, Tolerance=1.00%, HelpURL=https://industrial.panasonic.com/cdbs/www-data/pdf/RDA0000/AOA0000C304.pdf, Manufacturer Part Number=ERJ-3EKF1002V, Price=0.02, Supplier 1=Digikey
R51 R55 R59 R64: library part ERJ-3EKF1001V, "RES, 1K, 0.1W, 1%, 0603", Manufacturer=Panasonic, Operating Temperature="-55°C ~ 155°C", Power=0.1W, Supplier Part Number 1=P1.00KHTR-ND, Temperature Coefficient=±100ppm/°C, Tolerance=1.00%, HelpURL=https://industrial.panasonic.com/cdbs/www-data/pdf/RDA0000/AOA0000C304.pdf, Manufacturer Part Number=ERJ-3EKF1001V, Price=0.02, Supplier 1=Digikey
R67: library part ERJ-3EKF2002V, Dist=Digi-Key, Dist P/N=P18.2KHCT-ND, Mfg=Panasonic, Mfgr P/N=ERJ-3EKF1822V, Price=0.05
R94 R95 R96: library part ERJ-3EKF4301V, Dist=Digi-Key, Dist P/N=P4.30KHCT-ND, HelpURL=http://industrial.panasonic.com/www-cgi/jvcr13pz.cgi?E+PZ+3+AOA0002+ERJ3EKF22R1V+7+WW, Mfg=Panasonic, Mfgr P/N=ERJ-3EKF4301V, Price=0.05
RL2 RL3 RL4 RL5 RL6 RL7: library part J115F11A12VDCS6.9, Dist=Digi-Key, Dist P/N=2449-J115F11A12VDCS6.9-ND, HelpURL=https://www.citrelay.com/Catalog%20Pages/RelayCatalog/J115F1.pdf, Mfg="CIT Relay and Switch", Mfgr P/N=J115F11A12VDCS6.9, Price=2.02
U1 U2 U3: library part MLX91221KDF-ABF-075-SP, Dist=Digi-Key, Dist P/N=413-MLX91221KDF-ABF-075-SP-ND, Mfg=Melexis, Mfgr P/N=MLX91221KDF-ABF-075-SP, Price=4.45
  U1 U2: Datasheet=https://www.melexis.com/-/media/files/documents/datasheets/mlx91221-datasheet-melexis.pdf
  U3: HelpURL=https://www.melexis.com/-/media/files/documents/datasheets/mlx91221-datasheet-melexis.pdf
U4 U5 U7: library part FAN7390MX, Dist=Digikey, Dist P/N=FAN7390MXCT-ND, HelpURL=http://www.fairchildsemi.com/ds/FA/FAN7390.pdf, Mfg=Fairchild, Mfg P/N=FAN7390MX, Price=3.40
U6: library part TLC393IDR, Datasheet=http://www.ti.com/general/docs/suppproductinfo.tsp?distId=10&gotoUrl=http%3A%2F%2Fwww.ti.com%2Flit%2Fgpn%2Ftlc393, Dist=Digi-Key, Dist P/N=296-1330-1-ND, Mfg="Texas Instruments", Mfgr P/N=TLC393IDR, Price=1.97
U8: "STM32F429ZI, mbed-Enabled Development Nucleo-144 STM32F4 ARMÂ® CortexÂ®-M4 MCU 32-Bit Embedded Evaluation Board", Package=None, Availability=Bad, Check_prices=https://www.snapeda.com/parts/NUCLEO-F429ZI/STMicroelectronics/view-part/477252/?ref=eda, MF=STMicroelectronics, MP=NUCLEO-F429ZI, Price=None, Purchase-URL=https://pricing.snapeda.com/search/part/NUCLEO-F429ZI/?ref=eda, SnapEDA_Link=https://www.snapeda.com/parts/NUCLEO-F429ZI/STMicroelectronics/view-part/477252/?ref=snap
U9: "IC, REG, LDO, Fixed, 3.3V, 1A, TO-252-3", Current - Output=1A, Manufacturer="Diodes Incorporated", Operating Temperature="-40°C ~ 125°C", Supplier Part Number 1=ZLDO1117K33DICT-ND, Voltage - Dropout="1.35V @ 1A", Voltage - Input=18V, Voltage - Output=3.3V, HelpURL=https://www.diodes.com/assets/Datasheets/ZLDO1117.pdf, Manufacturer Part Number=ZLDO1117K33TC, Number of Regulators=1, Price=0.517, PSRR="80dB (120Hz)", Regulator Topology=Fixed, Supplier 1=Digikey
U10: "IC, REG, LDO, Fixed, 5V, 1A, SOT-223-4", Current - Output=1A, Manufacturer="Diodes Incorporated", Operating Temperature="-40°C ~ 125°C", Supplier Part Number 1=ZLDO1117G50DICT-ND, Voltage - Dropout="1.35V @ 1A", Voltage - Input=18V, Voltage - Output=5V, HelpURL=https://www.diodes.com/assets/Datasheets/ZLDO1117.pdf, Manufacturer Part Number=ZLDO1117G50TA, Number of Regulators=1, Price=0.4375, PSRR="80dB (120Hz)", Regulator Topology=Fixed, Supplier 1=Digikey

## Free pads (board coordinates)
  round 5.9 hole 3: ""(97,29) ""(97,104) ""(97,239) ""(137,129.2) ""(137,104) ""(137,146.5) ""(137,175) ""(137,192.5) ""(137,221) ""(137,238.5) ""(177,104) ""(177,129.2) ""(177,146.5) ""(177,175) ""(177,192.5) ""(177,221) ""(177,238.5) ""(374,29) ""(374,104) ""(374,239)
  round 3 hole 1.4: ""(99.5,66) ""(99.5,87) ""(104.58,66) ""(104.58,87) ""(366.5,119) ""(366.5,139) ""(366.5,159) ""(366.5,179) ""(366.5,199) ""(366.5,219) ""(371.58,119) ""(371.58,139) ""(371.58,159) ""(371.58,179) ""(371.58,199) ""(371.58,219)
  round 1.8 hole 1: ""(114,40.5) ""(120.75,59.25) ""(121.25,27.5) ""(125,87.25) ""(163.5,87.25) ""(203.25,87.25) ""(205,27.25) ""(205,62) ""(207.5,43.5) ""(207.5,46.5) ""(210,51) ""(222.5,103.5) ""(222.5,148.5) ""(223.5,194.5) ""(224,235.5) ""(243.5,40.5) ""(243.5,45) ""(243.5,50) ""(258.75,82) ""(332.5,83.5) ""(333.75,47.25)